# Altium PCB 智能车主板.PcbDoc (part 1 of 3)
Units mil, origin at the board's own origin, x right, y up, seen from the top; angles counter-clockwise.
Board outline 5500 x 3935 mil, 4 copper layers (Top, GND02, PWR03, Bottom), stack 23.756 mil thick; 203 components, 185 nets, 860 pads, 262 vias.
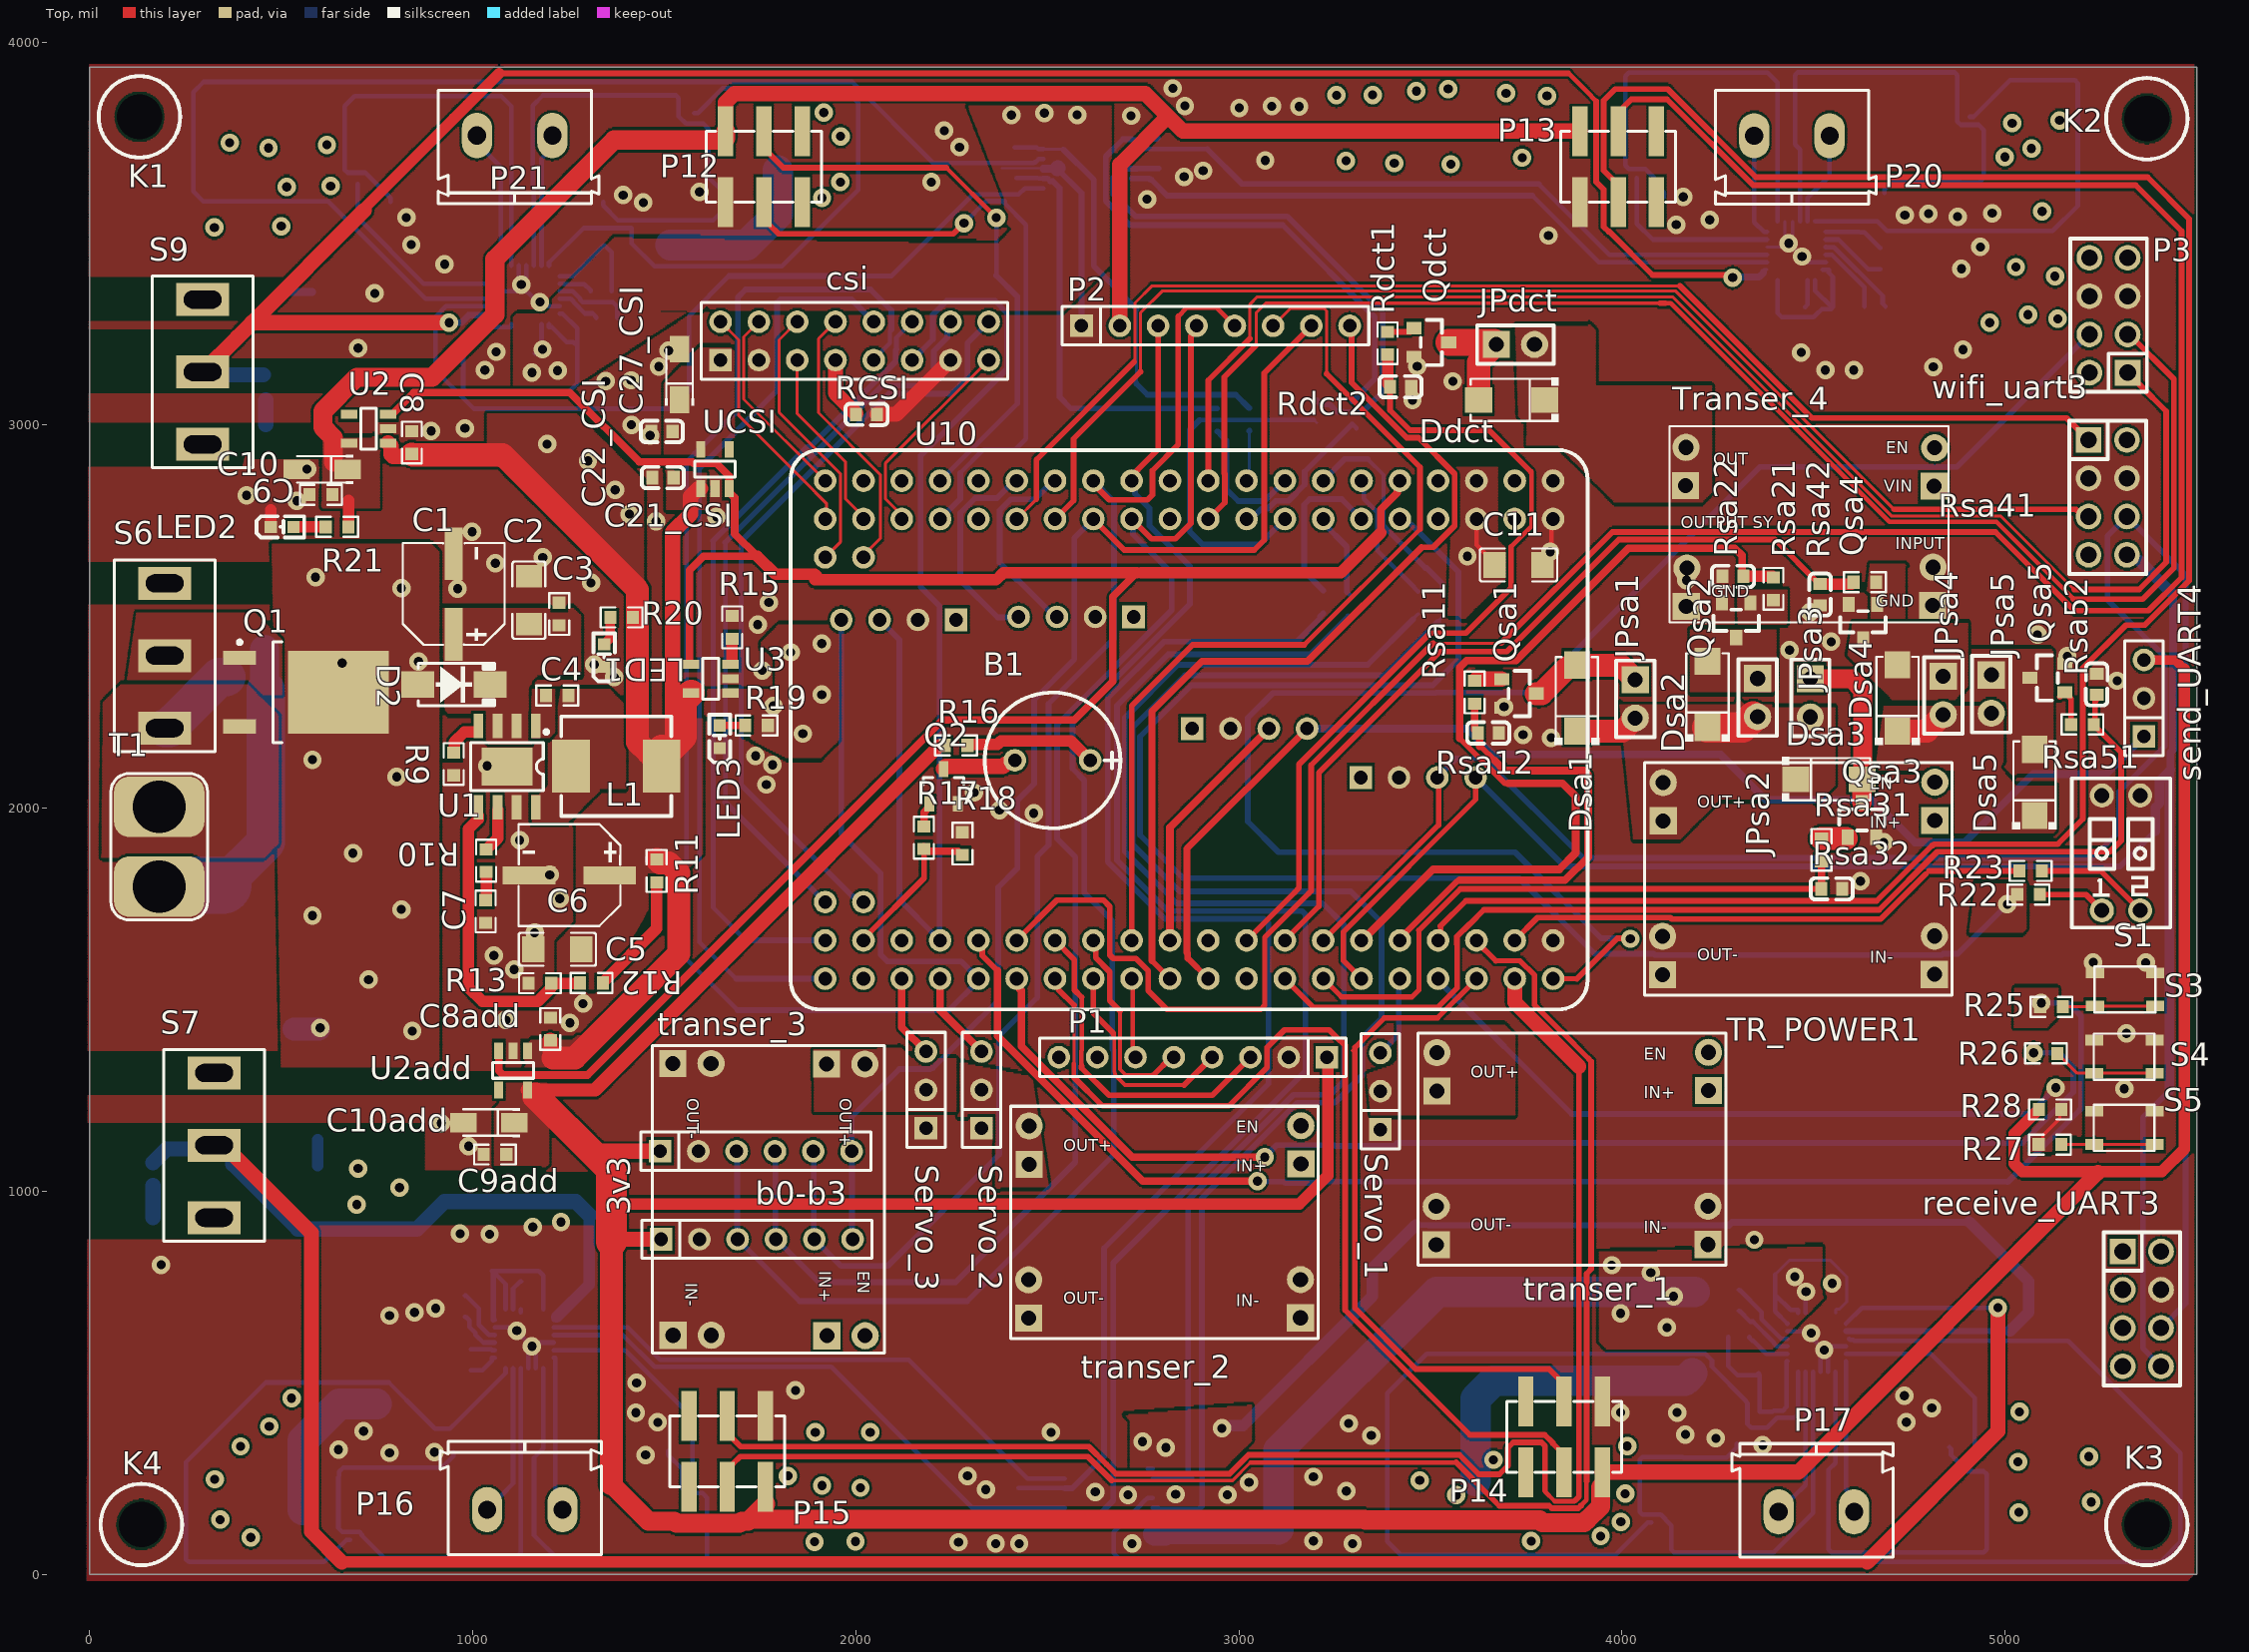
[diagram p0: Top view]
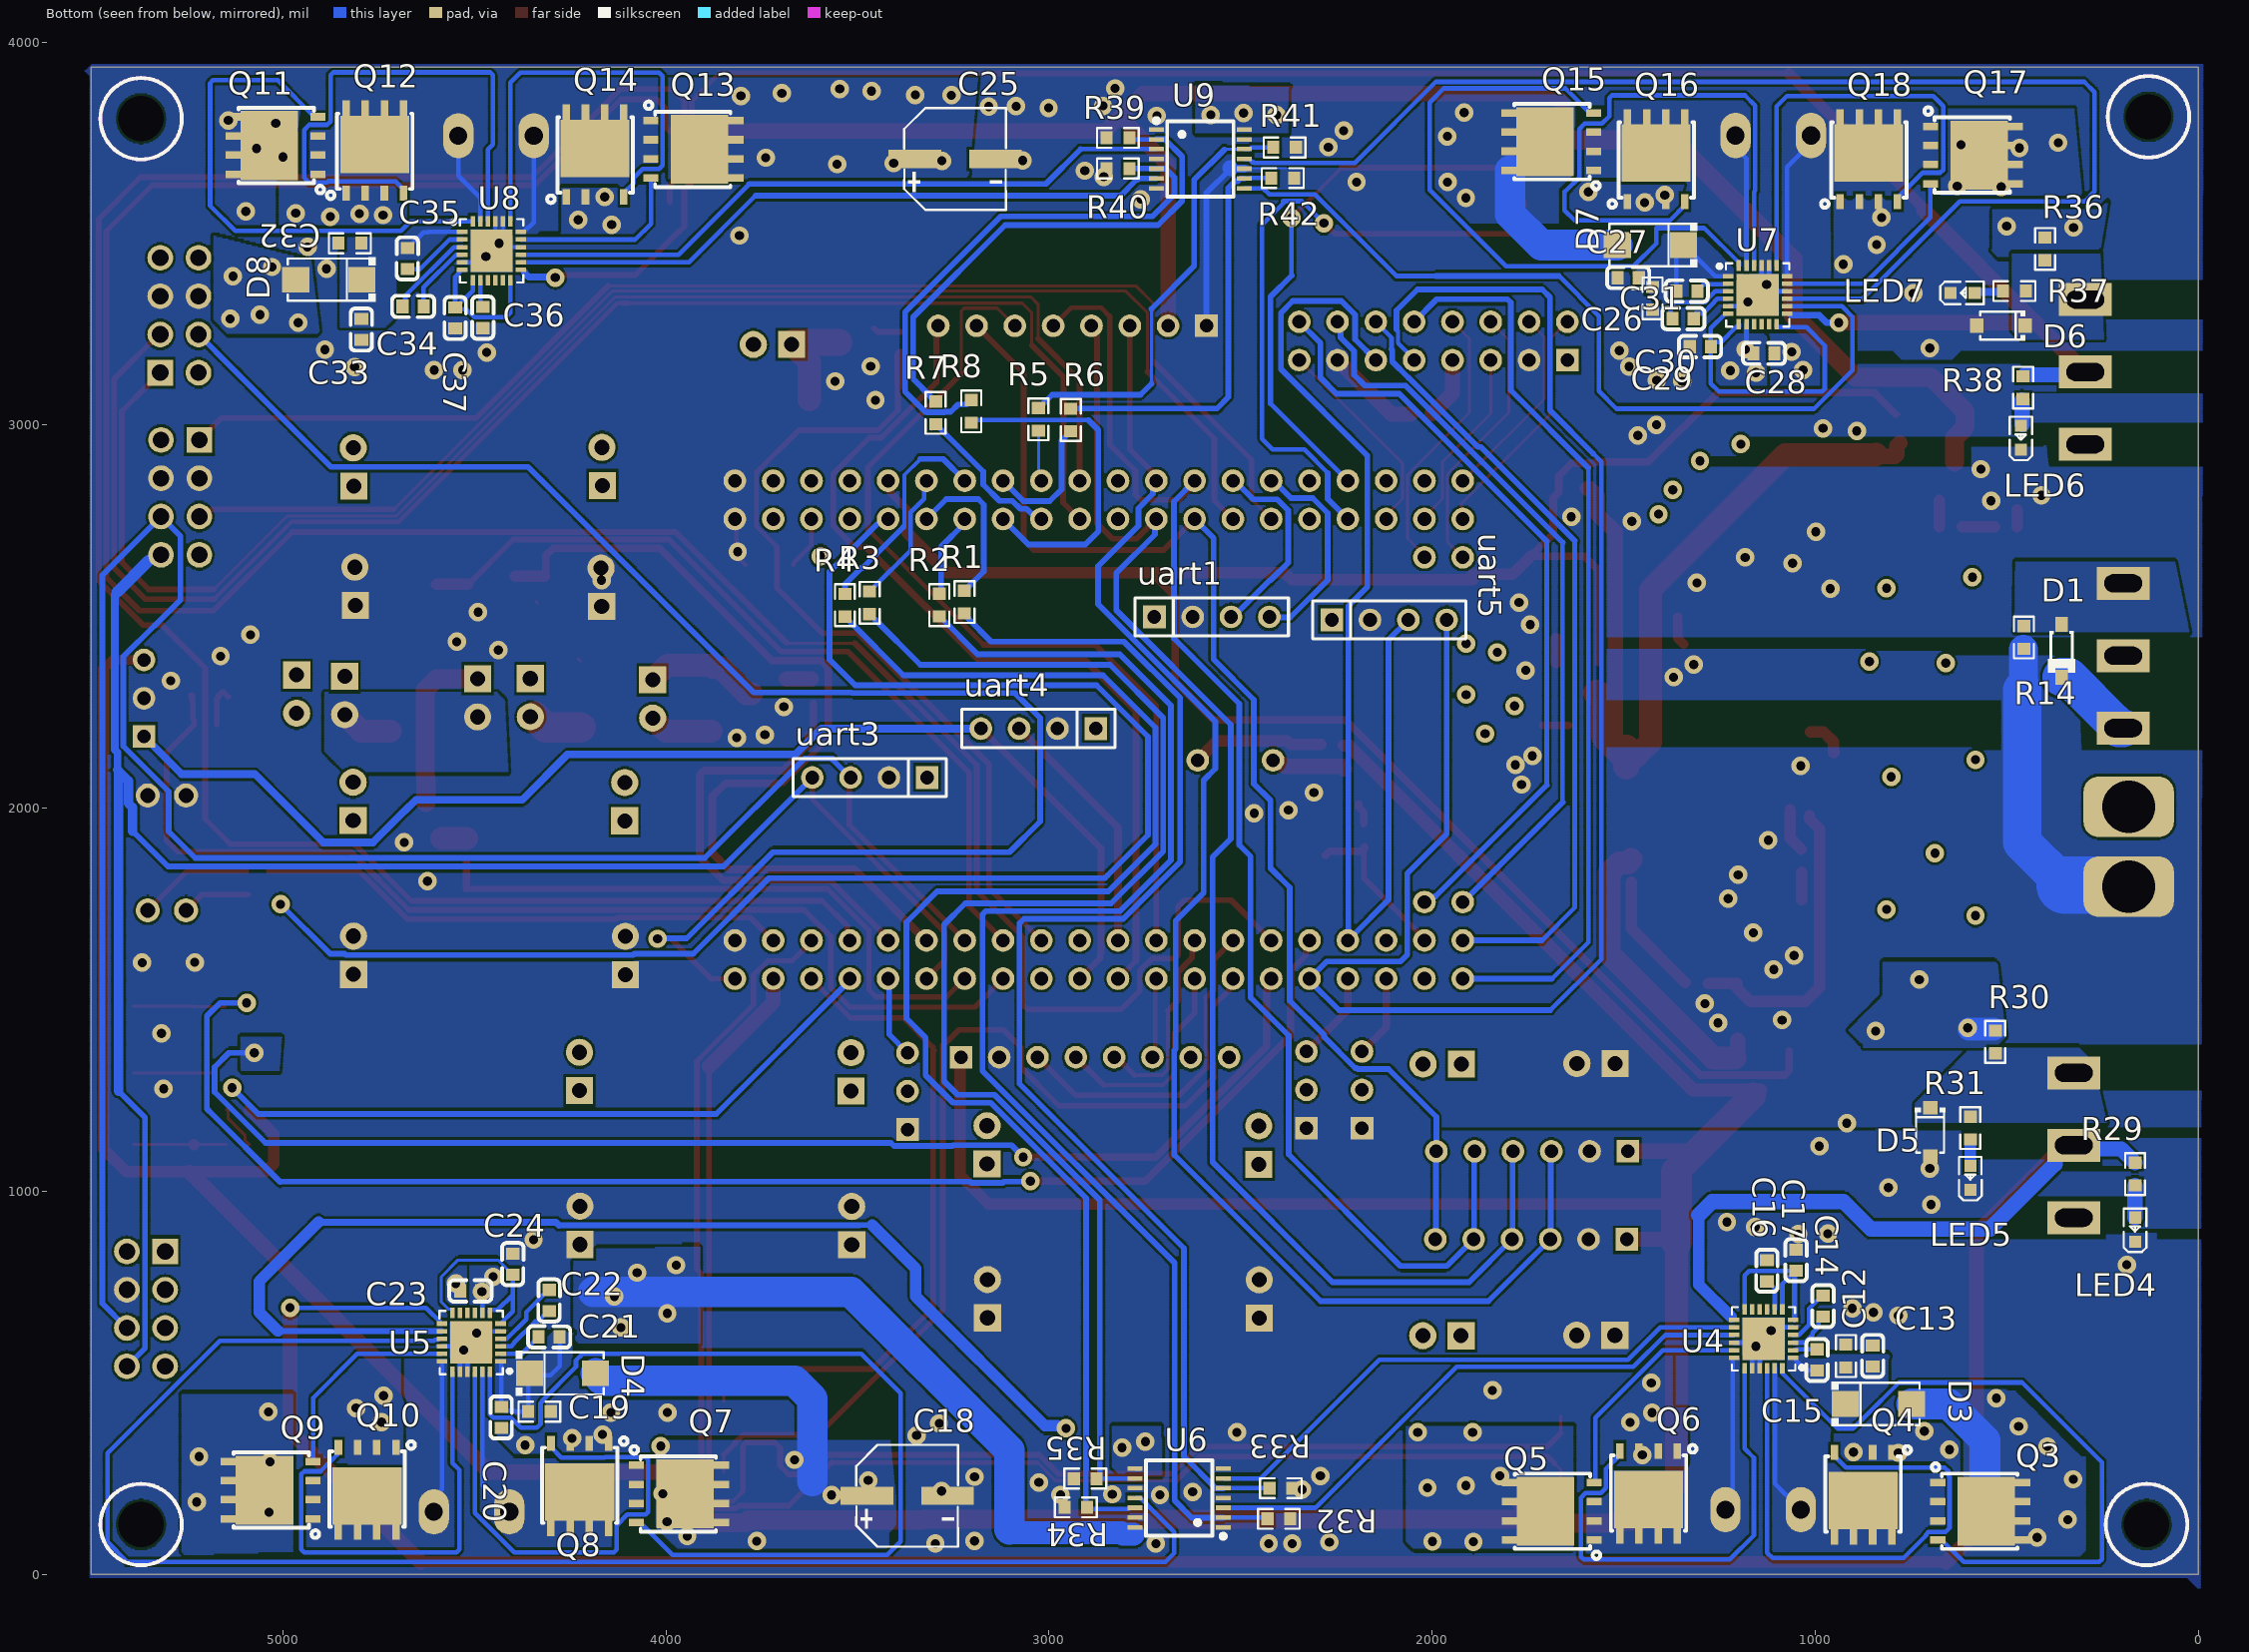
[diagram p1: Bottom view, seen from below]
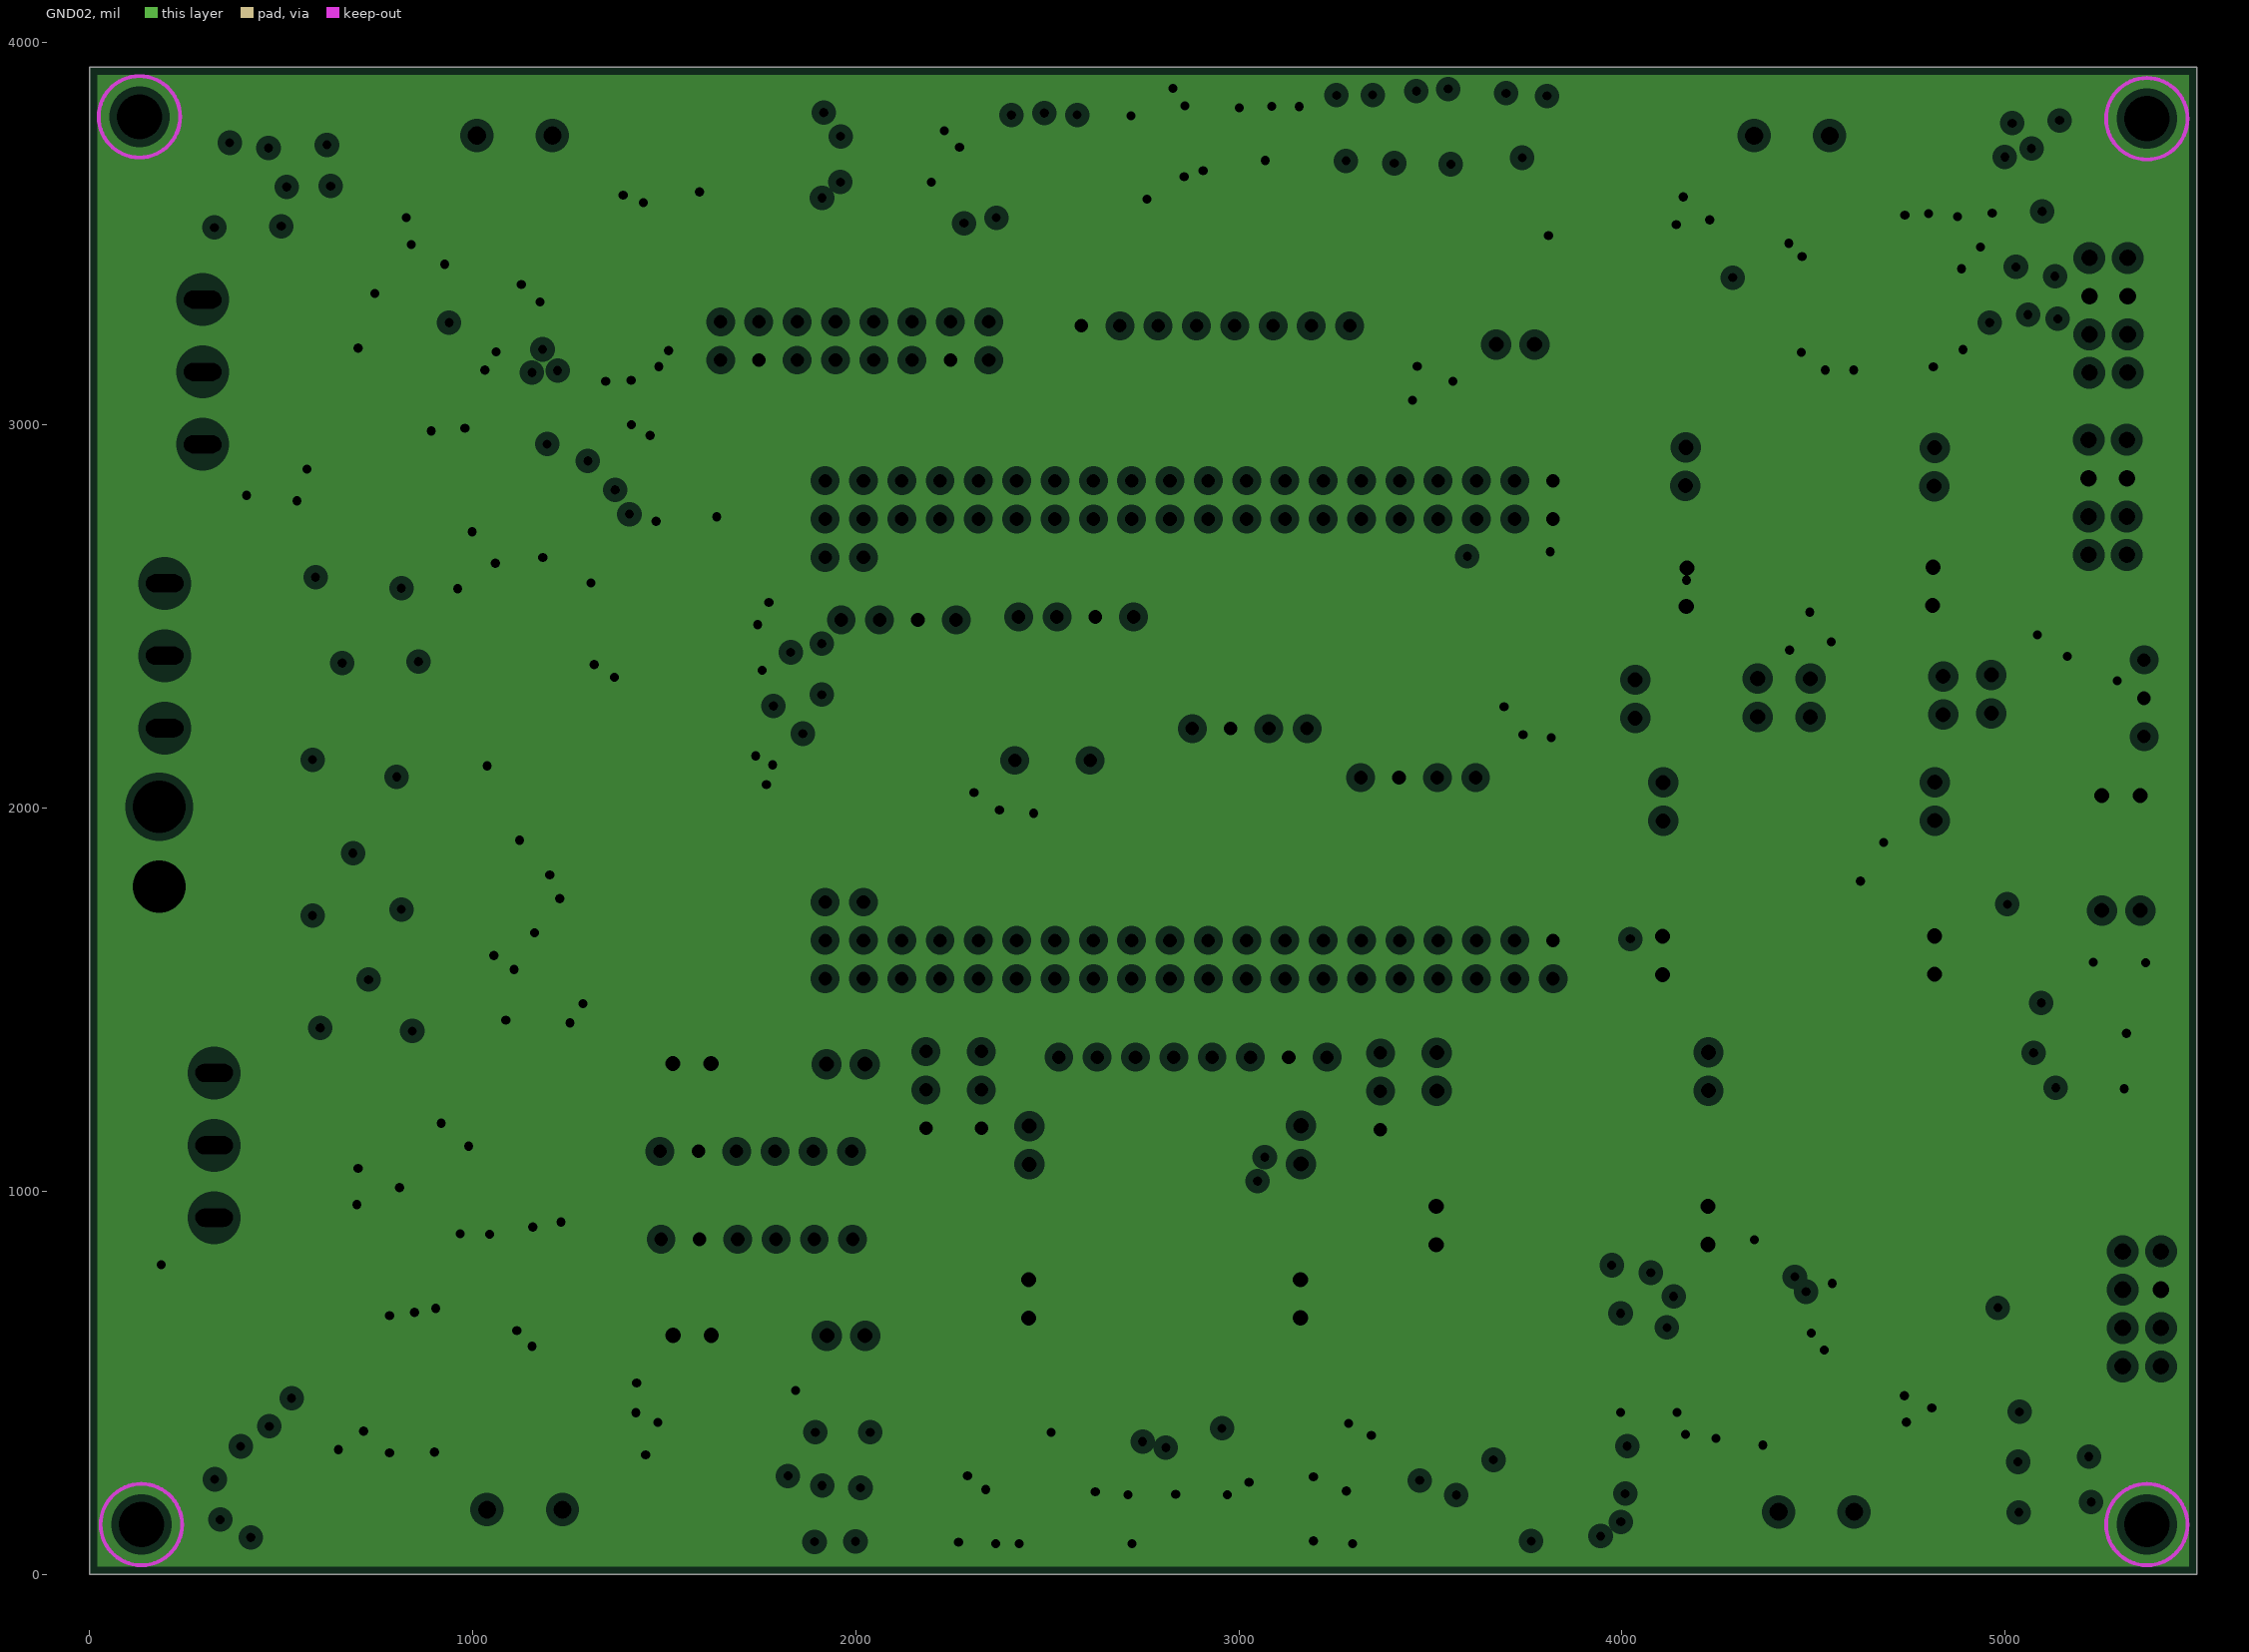
[diagram p2: GND02, clearances drawn from the general rule]
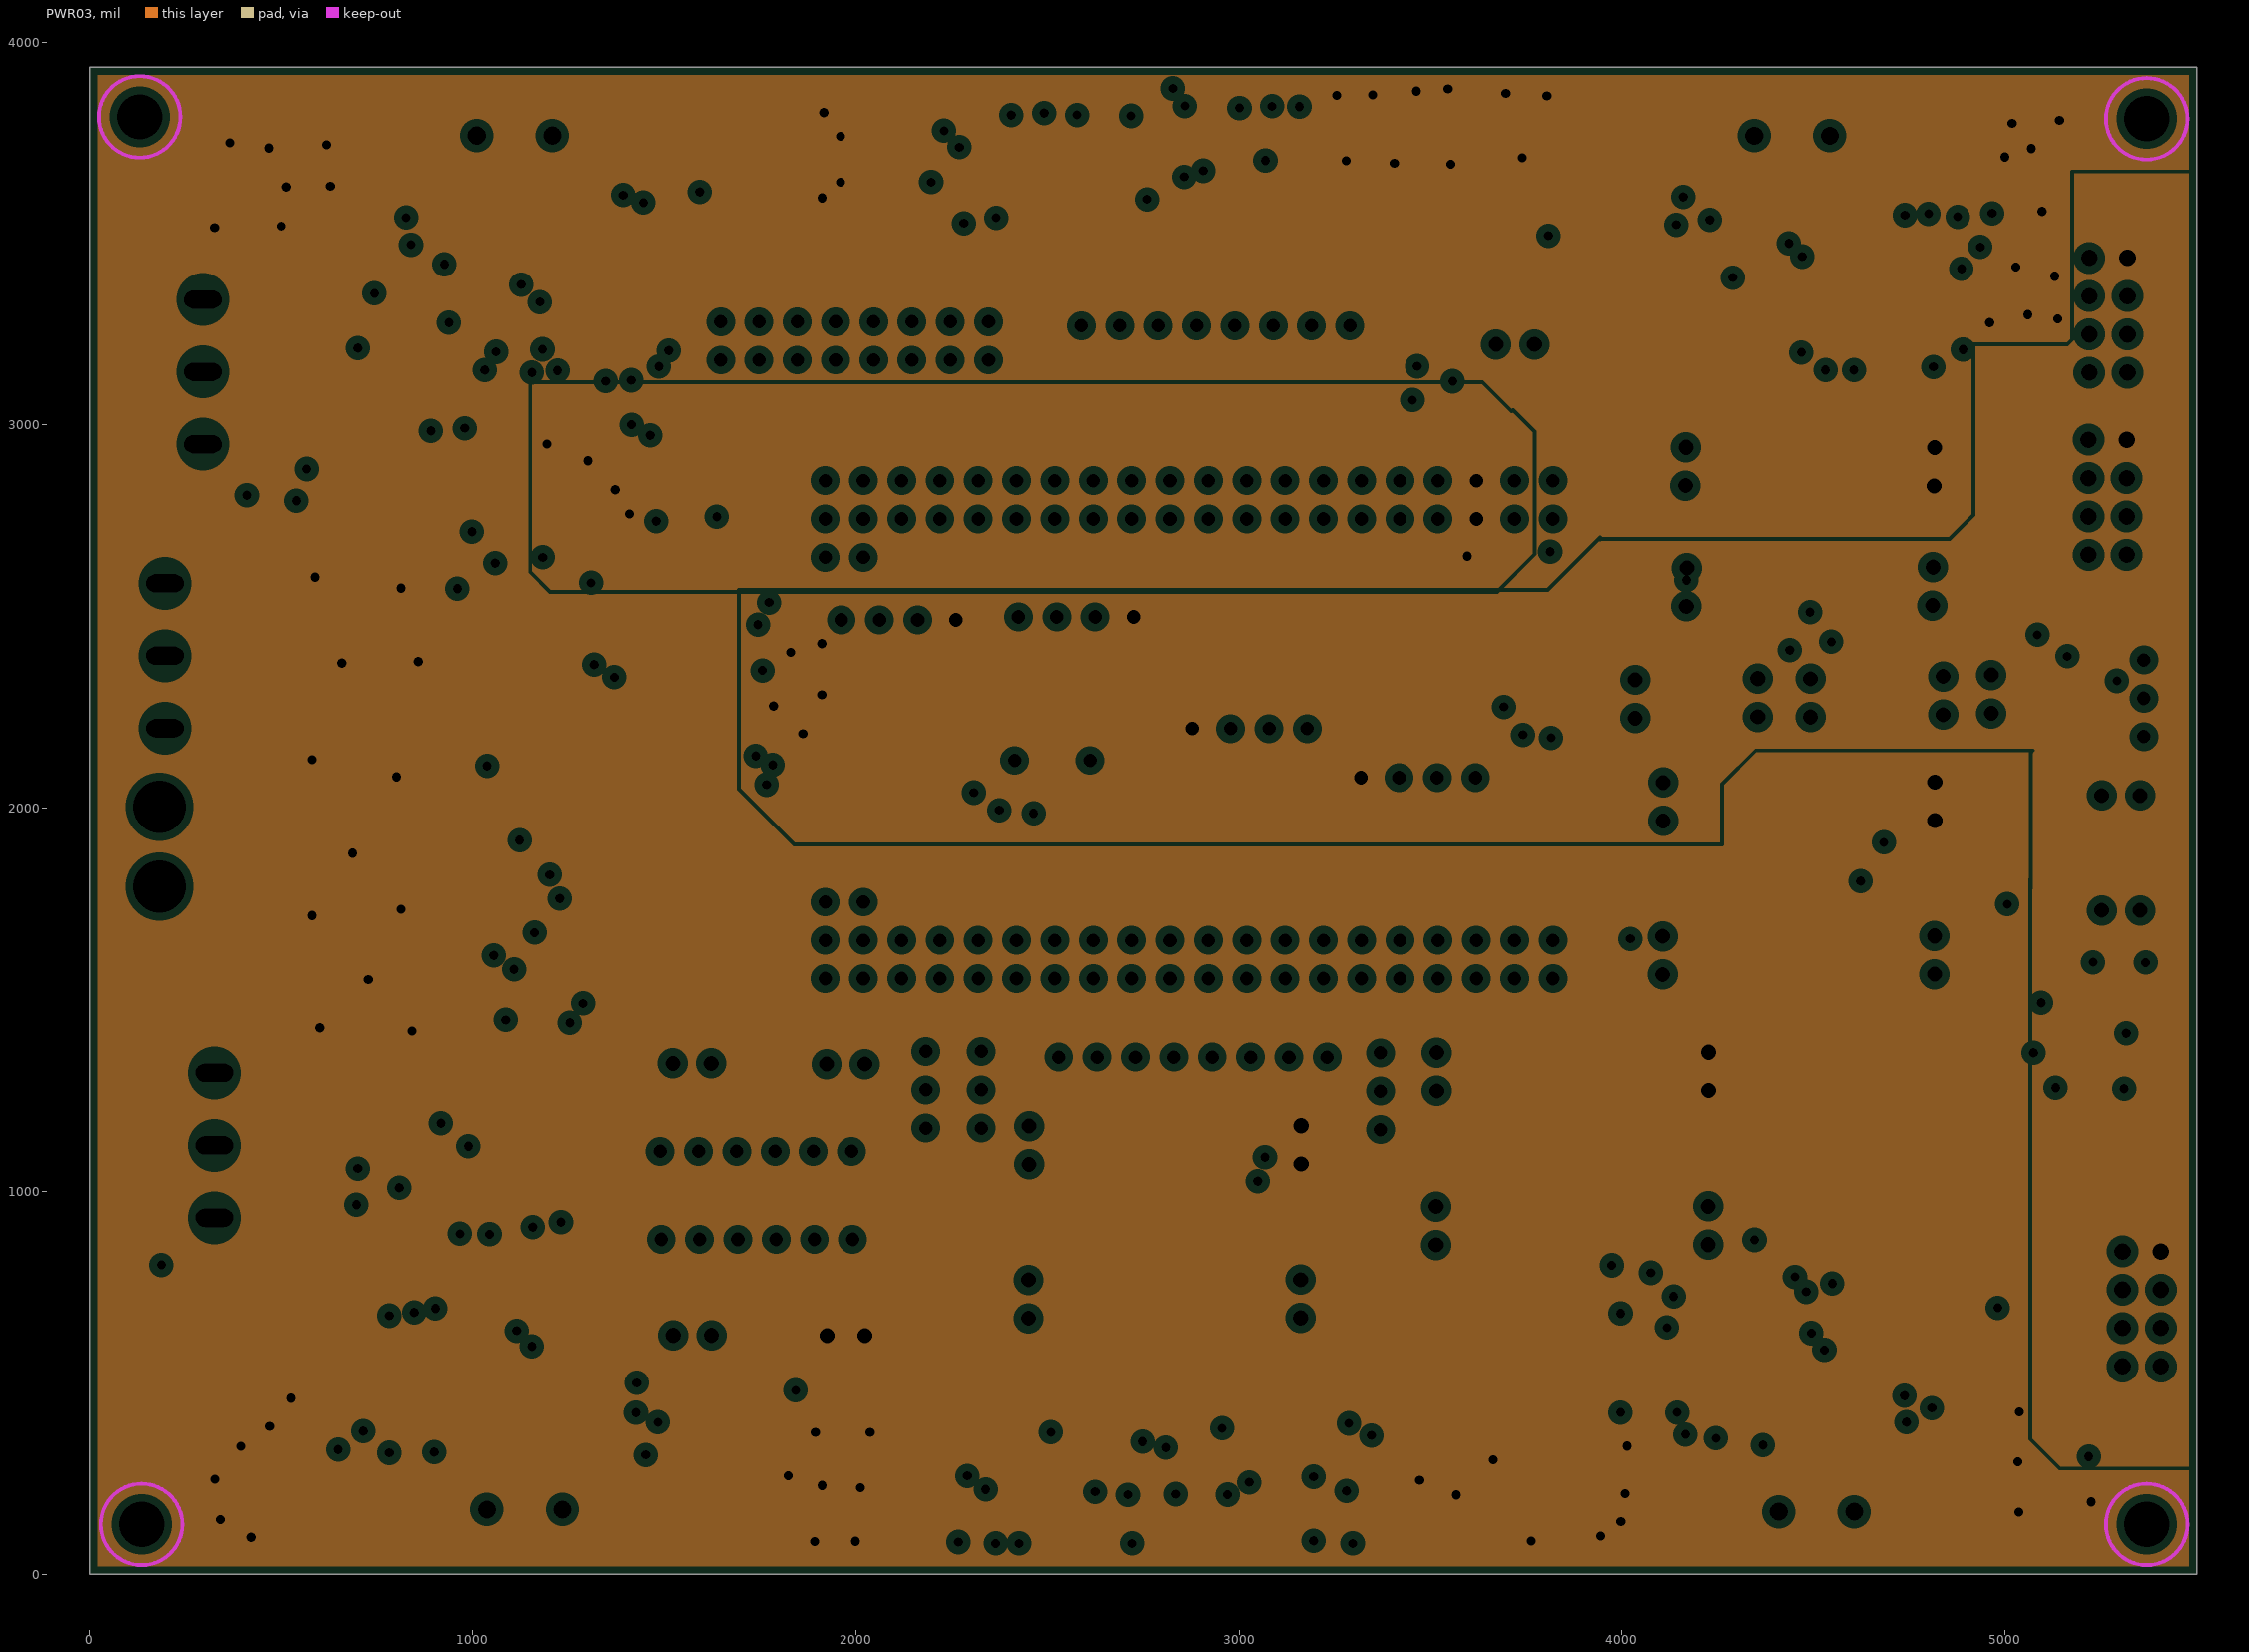
[diagram p3: PWR03, clearances drawn from the general rule]

## Layer stack, top to bottom
Top Solder: solder mask 0.4, Solder Resist, Dk 3.5
Top: signal copper 1.4
Dielectric 2: prepreg 2.8, PP-006, Dk 4.1
GND02: plane copper 1.378, net GND
Dielectric 1: dielectric 12.6, FR-4, Dk 4.8
PWR03: plane copper 1.378, net (Multiple Nets)
Dielectric 3: prepreg 2.8, PP-006, Dk 4.1
Bottom: signal copper 1.4
Bottom Solder: solder mask 0.4, Solder Resist, Dk 3.5

## Board outline
0,0 0,3935 5500,3935 5500,0

## Design rules (kind name [scope] priority, off if disabled: settings)
Clearance [All] p1: gap=6 ignorepadtopadclearanceinfootprint=TRUE except(5: Arc-Arc Arc-Track Arc-SMDPad Track-Track Track-SMDPad SMDPad-SMDPad)
PlaneClearance [All] p1: clearance=20
PlaneConnect [All] p1: planeconnectstyle=Direct reliefexpansion=20 reliefentries=4 reliefconductorwidth=10 reliefairgap=10
PolygonConnect [All] p1: connectstyle=Direct reliefconductorwidth=10 reliefentries=4 polygonreliefangle="90 Angle" airgapwidth=10
RoutingVias RoutingVias_2 [InNetClass('VCC')] p1: holewidth=24 width=48 viastyle="Through Hole" minholewidth=24 minwidth=48 maxholewidth=24 maxwidth=48
RoutingVias RoutingVias_1 [InNetClass('GND')] p2: holewidth=24 width=48 viastyle="Through Hole" minholewidth=24 minwidth=48 maxholewidth=24 maxwidth=48
RoutingVias [All] p3: holewidth=12 width=24 viastyle="Through Hole" minholewidth=12 minwidth=24 maxholewidth=12 maxwidth=24
SolderMaskExpansion [IsVia] p1: expansion=4 istentingtop=TRUE
Width GND_Width [InNetClass('GND')] p1: maxlimit=60 minlimit=30 preferedwidth=50
Width VCC_Width [InNetClass('VCC')] p2: maxlimit=50 minlimit=30 preferedwidth=40
Width Width_1 [All] p3: maxlimit=100 minlimit=5 preferedwidth=8
28 further rules are at their usual default settings.

## Components (designator, comment, footprint, x,y, rotation, side; value= is the part's Value field where it differs from the comment)
3v3 "HDR-1X6" HDR1X6 1488.9,1104.5 r0 top (schematic designator bm1)
b0-b3 "HDR-1X6" HDR1X6 1491.6,874.9 r0 top (schematic designator bm2)
B1 "BEEP" 蜂鸣器 2513.43,2125 r180 top
C1 "220uF 25V" 22uf25v贴片铝水解电容（6.3，7.7） 950.1,2559.32 r90 top
C2 "4.7uF 50V" 1206C 1146.7,2543.2 r270 top
C3 "100nF 50V" 0603R 1225.7,2507.1 r270 top
C4 "100nF 50V" 0603R 1220.64,2294.3 r180 top
C5 "47uF 16V" 1206C 1220.9,1631.6 r0 top
C6 "220uF 25V" 22uf25v贴片铝水解电容（6.3，7.7） 1252.4,1825.1 r180 top
C7 "4.7nF 50V" 0603R 1033.9,1730.6 r90 top
C8 "100nF 50V" 0603R 841.1,2954.5 r270 top
C8add "100nF 50V" 0603R 1202.5,1423.5 r270 top
C9 "100nF 50V" 0603R 603.8,2818.4 r0 top
C9add "100nF 50V" 0603R 1058.1,1096.1 r0 top
C10 "10uF 16V" "CASE-A-3216  钽电容" 606.98,2884.34 r180 top
C10add "10uF 16V" "CASE-A-3216  钽电容" 1041.7,1179.4 r180 top
C11 "47uF" 1206C 3730,2635 r180 top
C12 "10uF" 0603R 920,570 r270 bottom
C13 "100nF" C0603 850,570 r270 bottom
C14 "100nF" C0603 980,700 r270 bottom
C15 "1uF" C0603 995,560 r90 bottom
C16 "1uF" C0603 1126.28,792.45 r270 bottom
C17 "1uF" C0603 1050,820 r270 bottom
C18 "220uF" 22uf25v贴片铝水解电容（6.3，7.7） 3370,205 r180 bottom
C19 "10uF" 0603R 4330,425 r0 bottom
C20 "100nF" C0603 4430,410 r90 bottom
C21 "1uF" C0603 4305,620 r0 bottom
C21_CSI "100NF 50V" C0603 1496.6,2863 r0 top
C22 "100nF" C0603 4305,715 r270 bottom
C22_CSI "100NF 50V" C0603 1494,2983.2 r0 top
C23 "1uF" C0603 4510,740 r180 bottom
C24 "1uF" C0603 4400,810 r270 bottom
C25 "220uF" 22uf25v贴片铝水解电容（6.3，7.7） 3245,3695 r180 bottom
C26 "100nF" C0603 1344.6,3278.3 r0 bottom
C27 "100nF" C0603 1487.89,3385 r180 bottom
C27_CSI "10uF 16V" "CASE-A-3216  钽电容" 1539.9,3132.61 r90 top
C28 "1uF" C0603 1134.1,3187.4 r0 bottom
C29 "1uF" C0603 1300,3205 r180 bottom
C30 "10uF" 0603R 1424.6,3331.1 r90 bottom
C31 "1uF" C0603 1335,3350 r180 bottom
C32 "10uF" 0603R 4825,3475 r180 bottom
C33 "100nF" C0603 4795,3250 r90 bottom
C34 "100nF" C0603 4660,3310 r0 bottom
C35 "1uF" C0603 4675,3435 r270 bottom
C36 "1uF" C0603 4477.84,3280.87 r90 bottom
C37 "1uF" C0603 4550,3280 r90 bottom
csi "Header 8X2" HDR2X8 1646.9,3169.8 r0 top
D1 "BZT52C16" SOD-123 356.9,2411.1 r270 bottom
D2 "SS54_C513478" SMA（SS54） 950.8,2322.7 r0 top
D3 "1N5819W_C727115" 1N5819W_C727115 835,445 r180 bottom
D4 "1N5819W_C727115" 1N5819W_C727115 4270,525 r180 bottom
D5 "BZT52C3V3_C545347" SOD-123_L2.7-W1.6-LS3.7-RD 700,1155 r270 bottom
D6 "BZT52C3V3_C545347" SOD-123_L2.7-W1.6-LS3.7-RD 515,3260 r0 bottom
D7 "1N5819W_C727115" 1N5819W_C727115 1430,3470 r0 bottom
D8 "1N5819W_C727115" 1N5819W_C727115 4880,3380 r0 bottom
Ddct "1N5819W_C727115" 1N5819W_C727115 3712,3066 r180 top
Dsa1 "1N5819W_C727115" 1N5819W_C727115 3882.2,2287.3 r90 top
Dsa2 "1N5819W_C727115" 1N5819W_C727115 4222.9,2297.1 r90 top
Dsa3 "1N5819W_C727115" 1N5819W_C727115 4540.3,2075.8 r0 top
Dsa4 "1N5819W_C727115" 1N5819W_C727115 4718.9,2287.9 r90 top
Dsa5 "1N5819W_C727115" 1N5819W_C727115 5076.7,2067.5 r90 top
JPdct "HDR-1X2" HDR-2P 3721.7,3210.5 r0 top
JPsa1 "HDR-1X2" HDR-2P 4034.6,2285.4 r270 top
JPsa2 "HDR-1X2" HDR-2P 4353.9,2288.7 r270 top
JPsa3 "HDR-1X2" HDR-2P 4491.6,2288.3 r270 top
JPsa4 "HDR-1X2" HDR-2P 4838.5,2294.3 r270 top
JPsa5 "HDR-1X2" HDR-2P 4963.9,2298 r270 top
K1 "M3" 固定孔M3 130,3805 r0 top
K2 "M3" 固定孔M3 5370,3800 r0 top
K3 "M3" 固定孔M3 5370,130 r0 top
K4 "M3" 固定孔M3 135,130 r0 top
L1 "4.7uH 5A" 功率电感SMD_L7.3-W6.6 1374.8,2109.7 r0 top
LED1 "红色" "led 0603" 1343.1,2398.8 r90 top
LED2 "" "led 0603" 502.4,2734.5 r0 top
LED3 "红色" "led 0603" 1644.7,2186.57 r90 top
LED4 "D-G060306G1-KS2" LED0603-RD 165,900 r90 bottom
LED5 "D-G060306G1-KS2" LED0603-RD 595,1035 r90 bottom
LED6 "D-G060306G1-KS2" LED0603-RD 462.9,2967 r90 bottom
LED7 "D-G060306G1-KS2" LED0603-RD 615,3345 r180 bottom
P1 "HDR-1X8" HDR1X8 3230,1350 r180 top locked
P2 "HDR-1X8" HDR1X8 2589.1,3259.3 r0 top
P3 "Header 4X2" HDR-2*4 5270,3286.8 r90 top
P12 "编码器接口*4" HDR2X3-SMT 1760,3675 r0 top
P13 "编码器接口*4" HDR2X3-SMT 3990,3675 r0 top